# KiCad board nvme Carrier for LattePanda Mu.kicad_pcb (continued)
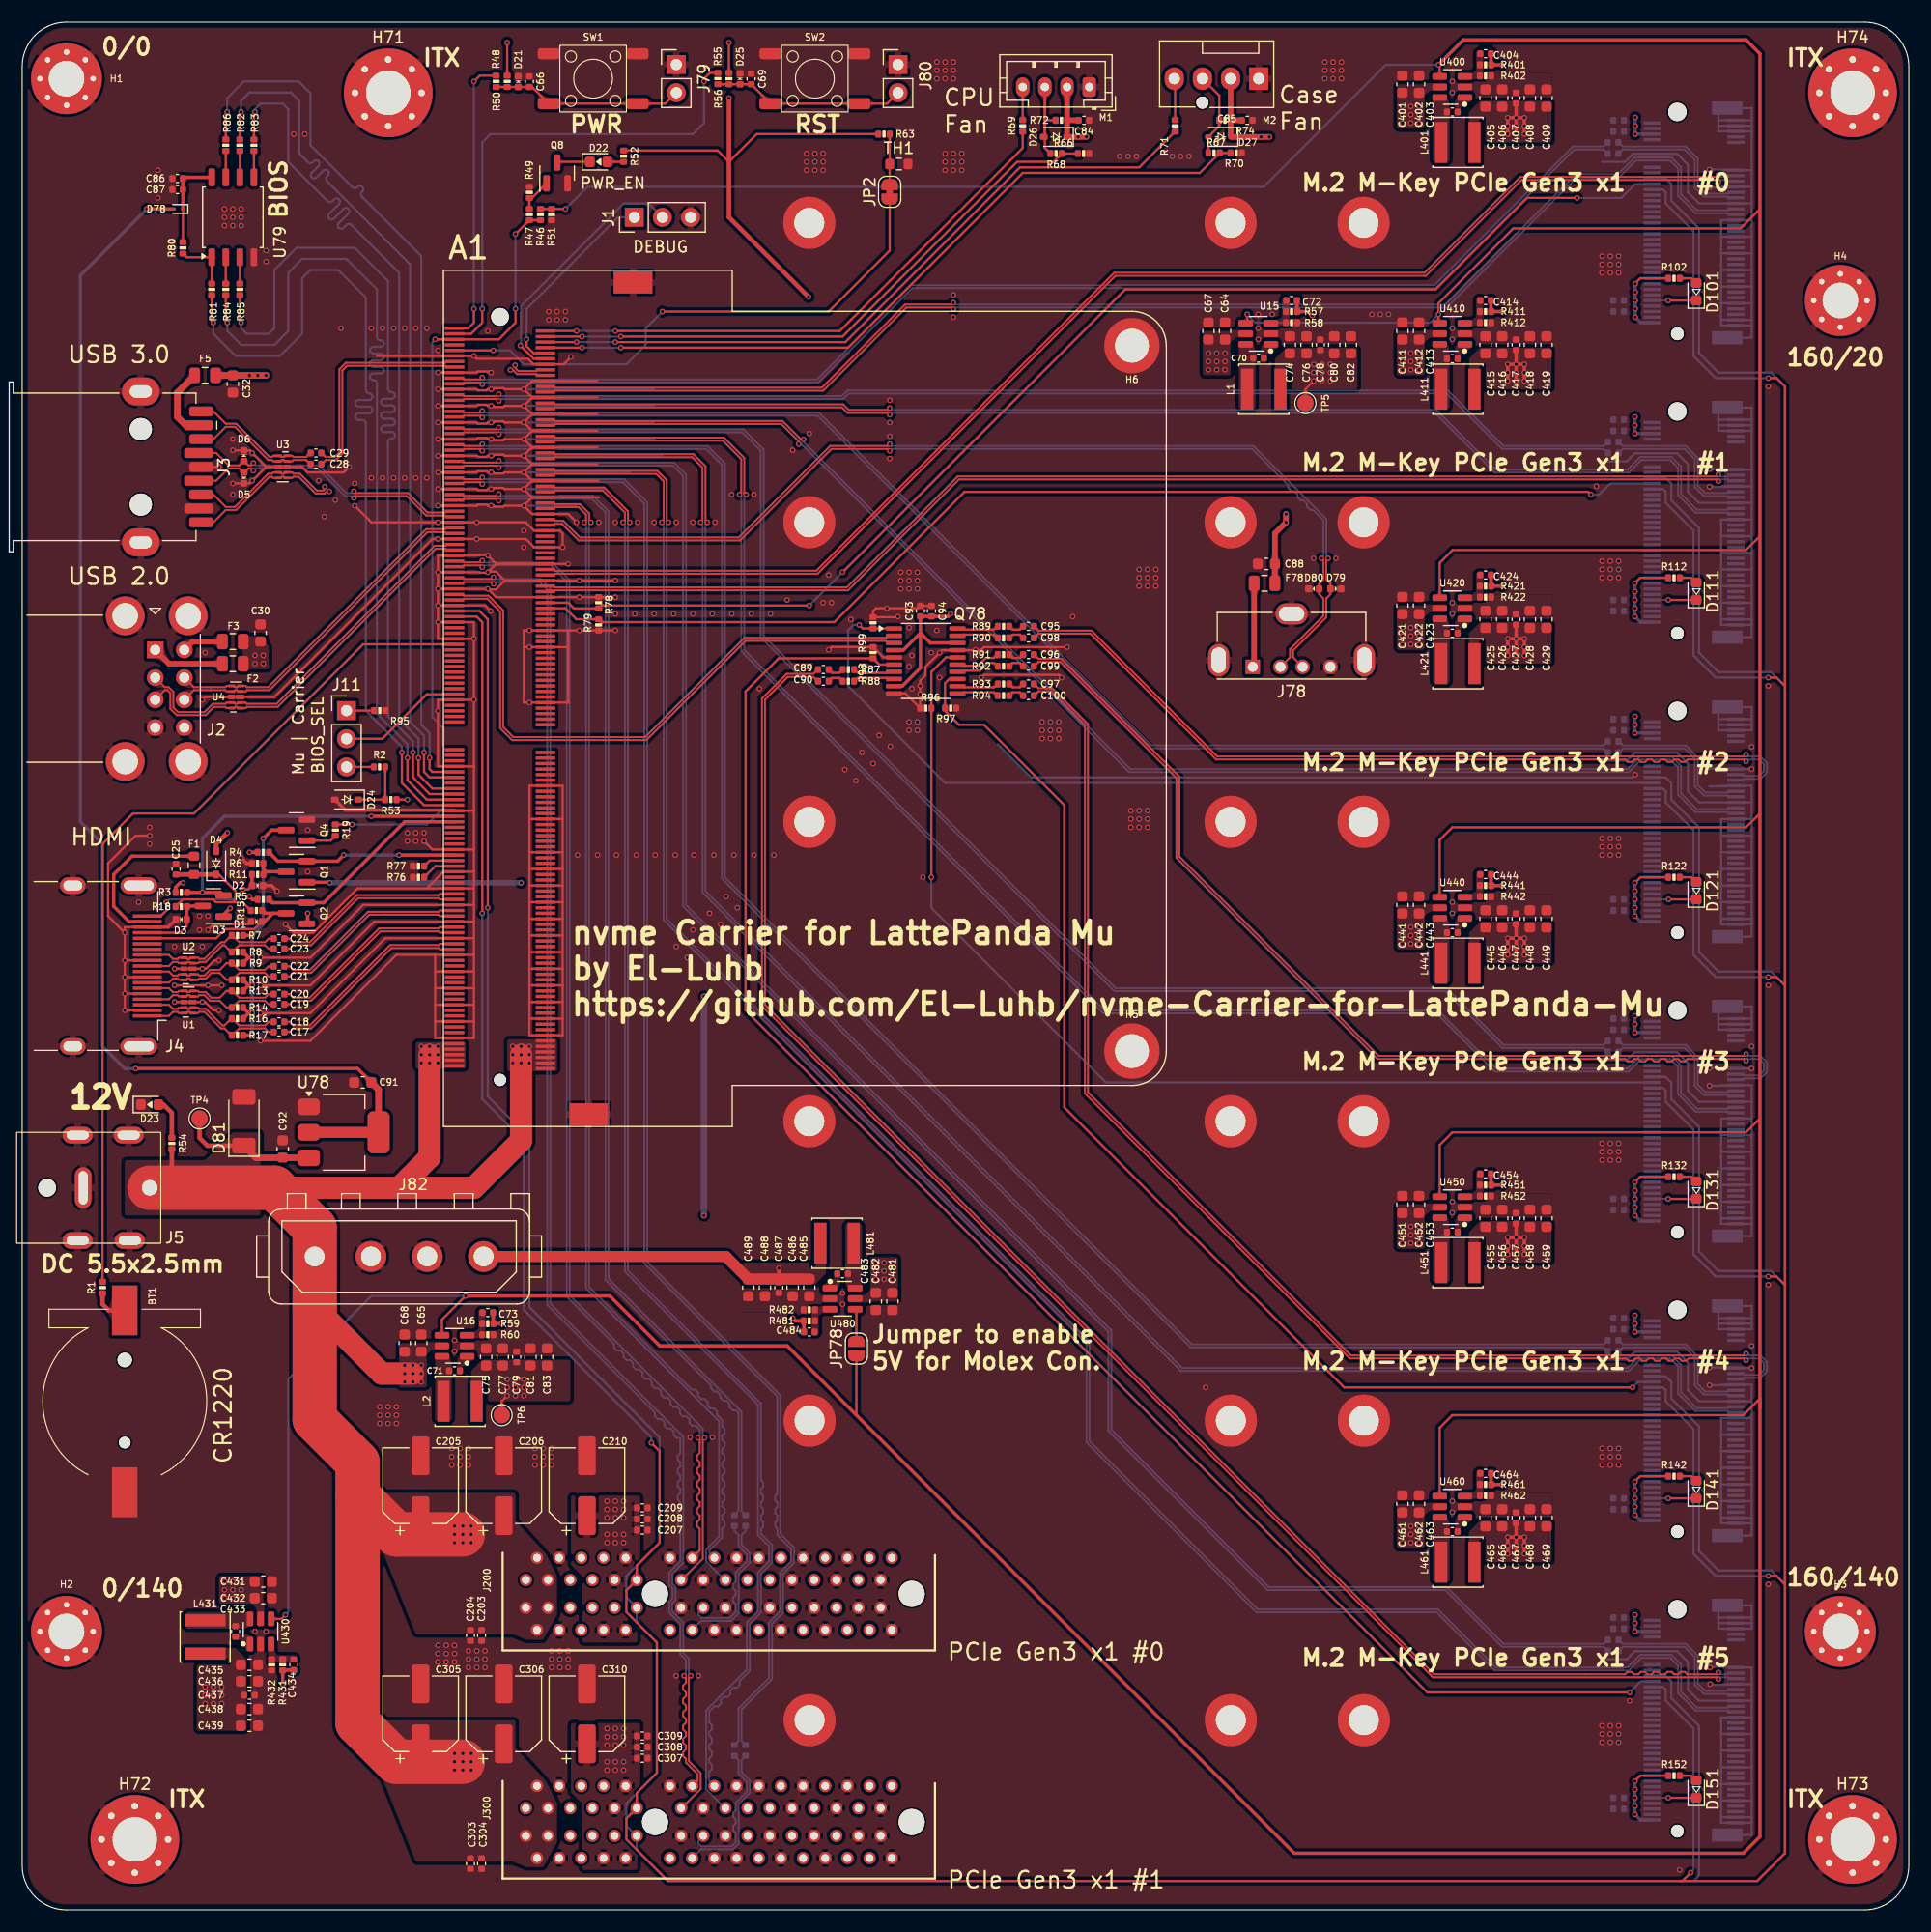
[diagram p0: board, top side]
## Footprints (pads in the part's own frame, mm; a bottom-side part is the same pattern mirrored in y, then rotated) (continued)
USB_A_Molex_105057_Vertical
  rect 1.3x1.3 hole 0.9: 1(0,0)
  round 1.3 hole 0.9: 2(2.5,0) 3(4.5,0) 4(7,0)
  oval 1.9x2.9 hole 1.3x2.3: 5(-3.07,0.6) 5(10.07,0.6)
  oval 2.9x1.9 hole 2.3x1.3: 5(3.5,4.78)

## Nets
5V_HDMI_VCC: C25.1 D4.1 F1.1 R15.1 R18.1
+3V3: C73.1 C75.2 C77.2 C79.1 C81.2 C83.2 C93.1 C94.1 C207.2 C208.2 C209.1 C210.1 J200.A9 J200.A10 J200.B8 J200.B10 L2.2 Q1.1 Q2.1 Q3.1 Q78.4 Q78.9 Q78.18 R3.1 R4.1 R5.1 R50.2 R52.2 R56.2 R59.2 R63.1 TP6.1
+3V3 Bios: C91.2 D78.2 U78.2
+3V3a: C101.2 C102.2 C103.2 C104.2 C404.1 C405.2 C406.2 C407.1 C408.2 C409.2 J100.2 J100.4 J100.12 J100.14 J100.16 J100.18 J100.70 J100.72 J100.74 L401.2 R102.2 R401.2
+3V3b: C111.2 C112.2 C113.2 C114.2 C414.1 C415.2 C416.2 C417.1 C418.2 C419.2 J110.2 J110.4 J110.12 J110.14 J110.16 J110.18 J110.70 J110.72 J110.74 L411.2 R112.2 R411.2
+3V3c: C121.2 C122.2 C123.2 C124.2 C424.1 C425.2 C426.2 C427.1 C428.2 C429.2 J120.2 J120.4 J120.12 J120.14 J120.16 J120.18 J120.70 J120.72 J120.74 L421.2 R122.2 R421.2
+3V3d: C131.2 C132.2 C133.2 C134.2 C444.1 C445.2 C446.2 C447.1 C448.2 C449.2 J130.2 J130.4 J130.12 J130.14 J130.16 J130.18 J130.70 J130.72 J130.74 L441.2 R132.2 R441.2
+3V3e: C141.2 C142.2 C143.2 C144.2 C454.1 C455.2 C456.2 C457.1 C458.2 C459.2 J140.2 J140.4 J140.12 J140.14 J140.16 J140.18 J140.70 J140.72 J140.74 L451.2 R142.2 R451.2
+3V3f: C151.2 C152.2 C153.2 C154.2 C464.1 C465.2 C466.2 C467.1 C468.2 C469.2 J150.2 J150.4 J150.12 J150.14 J150.16 J150.18 J150.70 J150.72 J150.74 L461.2 R152.2 R461.2
+3V3g: C307.2 C308.2 C309.1 C310.1 C434.1 C435.2 C436.2 C437.1 C438.2 C439.2 J300.A9 J300.A10 J300.B8 J300.B10 L431.2 R431.2
+5V: C30.2 C32.2 C72.1 C74.2 C76.2 C78.1 C80.2 C82.2 C84.1 C88.2 D4.2 D26.1 F2.1 F3.1 F5.1 F78.1 L1.2 M1.2 R57.2 R72.1 TP5.1
+5Va: C484.1 C485.2 C486.2 C487.1 C488.2 C489.2 J82.4 L481.2 R481.2
+12V: A1.250 A1.251 A1.252 A1.253 A1.254 A1.255 A1.256 A1.257 A1.258 A1.259 A1.260 C64.2 C65.2 C67.2 C68.2 C85.1 C92.2 C203.1 C204.1 C205.1 C206.1 C303.1 C304.1 C305.1 C306.1 C401.2 C402.2 C411.2 C412.2 C421.2 C422.2 C431.2 C432.2 C441.2 C442.2 C451.2 C452.2 C461.2 C462.2 C481.2 C482.2 D27.1 D81.1 J5.1 J82.1 J200.A2 J200.A3 J200.B1 J200.B2 J200.B3 J300.A2 J300.A3 J300.B1 J300.B2 J300.B3 M2.2 R53.1 R54.1 R74.1 TP4.1 U15.5 U16.5 U78.3 U400.5 U410.5 U420.5 U430.5 U440.5 U450.5 U460.5 U480.5
GND: A1.11 A1.14 A1.17 A1.20 A1.23 A1.26 A1.29 A1.32 A1.35 A1.38 A1.41 A1.44 A1.47 A1.50 A1.53 A1.56 A1.59 A1.62 A1.65 A1.68 A1.71 A1.74 A1.77 A1.80 A1.83 A1.86 A1.89 A1.92 A1.95 A1.98 A1.101 A1.107 A1.110 A1.113 A1.116 A1.135 A1.136 A1.151 A1.158 A1.167 A1.170 A1.181 A1.182 A1.188 A1.189 A1.194 A1.195 A1.200 A1.201 A1.206 A1.207 A1.212 A1.213 A1.218 A1.219 A1.224 A1.225 A1.230 A1.231 A1.236 A1.237 A1.242 A1.243 A1.248 A1.249 A1.MP BT1.2 C25.2 C30.1 C32.1 C64.1 C65.1 C66.2 C67.1 C68.1 C69.2 C74.1 C75.1 C76.1 C77.1 C78.2 C79.2 C80.1 C81.1 C82.1 C83.1 C84.2 C85.2 C86.2 C87.2 C88.1 C91.1 C92.1 C93.2 C94.2 C101.1 C102.1 C103.1 C104.1 C111.1 C112.1 C113.1 C114.1 C121.1 C122.1 C123.1 C124.1 C131.1 C132.1 C133.1 C134.1 C141.1 C142.1 C143.1 C144.1 C151.1 C152.1 C153.1 C154.1 C203.2 C204.2 C205.2 C206.2 C207.1 C208.1 C209.2 C210.2 C303.2 C304.2 C305.2 C306.2 C307.1 C308.1 C309.2 C310.2 C401.1 C402.1 C405.1 C406.1 C407.2 C408.1 C409.1 C411.1 C412.1 C415.1 C416.1 C417.2 C418.1 C419.1 C421.1 C422.1 C425.1 C426.1 C427.2 C428.1 C429.1 C431.1 C432.1 C435.1 C436.1 C437.2 C438.1 C439.1 C441.1 C442.1 C445.1 C446.1 C447.2 C448.1 C449.1 C451.1 C452.1 C455.1 C456.1 C457.2 C458.1 C459.1 C461.1 C462.1 C465.1 C466.1 C467.2 C468.1 C469.1 C481.1 C482.1 C485.1 C486.1 C487.2 C488.1 C489.1 D1.1 D2.1 D3.1 D5.1 D6.1 D21.1 D23.1 D24.2 D25.1 D79.1 D80.1 D81.2 H1.1 H2.1 H3.1 H4.1 H5.1 H6.1 H71.1 H72.1 H73.1 H74.1 H1032.1 H1042.1 H1080.1 H1130.1 H1142.1 H1180.1 H1230.1 H1242.1 H1280.1 H1330.1 H1342.1 H1380.1 H1430.1 H1442.1 H1480.1 H1530.1 H1542.1 H1580.1 J1.3 J2.4 J2.8 J2.9 J3.4 J3.7 J3.10 J4.2 J4.5 J4.8 J4.11 J4.17 J4.SH J5.2 J5.3 J78.4 J78.5 J79.1 J80.1 J82.2 J82.3 J100.1 J100.3 J100.9 J100.15 J100.21 J100.27 J100.33 J100.39 J100.45 J100.51 J100.57 J100.71 J100.73 J100.75 J100.MP1 J100.MP2 J110.1 J110.3 J110.9 J110.15 J110.21 J110.27 J110.33 J110.39 J110.45 J110.51 J110.57 J110.71 J110.73 J110.75 J110.MP1 J110.MP2 J120.1 J120.3 J120.9 J120.15 J120.21 J120.27 J120.33 J120.39 J120.45 J120.51 J120.57 J120.71 J120.73 J120.75 J120.MP1 J120.MP2 J130.1 J130.3 J130.9 J130.15 J130.21 J130.27 J130.33 J130.39 J130.45 J130.51 J130.57 J130.71 J130.73 J130.75 J130.MP1 J130.MP2 J140.1 J140.3 J140.9 J140.15 J140.21 J140.27 J140.33 J140.39 J140.45 J140.51 J140.57 J140.71 J140.73 J140.75 J140.MP1 J140.MP2 J150.1 J150.3 J150.9 J150.15 J150.21 J150.27 J150.33 J150.39 J150.45 J150.51 J150.57 J150.71 J150.73 J150.75 J150.MP1 J150.MP2 J200.A1 J200.A4 J200.A12 J200.A15 J200.A18 J200.A20 J200.A23 J200.A24 J200.A27 J200.A28 J200.A31 J200.B4 J200.B7 J200.B13 J200.B16 J200.B17 J200.B18 J200.B21 J200.B22 J200.B25 J200.B26 J200.B29 J200.B31 J200.B32 J300.A1 J300.A4 J300.A12 J300.A15 J300.A18 J300.A20 J300.A23 J300.A24 J300.A27 J300.A28 J300.A31 J300.B4 J300.B7 J300.B13 J300.B16 J300.B17 J300.B18 J300.B21 J300.B22 J300.B25 J300.B26 J300.B29 J300.B31 J300.B32 M1.1 M2.1 Q4.2 Q8.2 Q78.5 Q78.10 Q78.17 R6.2 R49.1 R51.1 R58.1 R60.1 R66.2 R67.2 R76.2 R77.2 R78.2 R79.2 R95.1 R96.2 R97.2 R98.2 R99.2 R402.1 R412.1 R422.1 R432.1 R442.1 R452.1 R462.1 R482.1 SW1.2 SW2.2 TH1.2 U1.3 U1.8 U2.3 U2.8 U3.3 U3.8 U4.3 U4.8 U15.2 U16.2 U78.1 U79.4 U400.2 U410.2 U420.2 U430.2 U440.2 U450.2 U460.2 U480.2
+BATT: A1.115 R1.1
/BIOS/SPI-CS: A1.165 R81.1
/BIOS/SPI-IO0: A1.159 R83.1
/BIOS/SPI-IO1: A1.163 R84.1
/BIOS/SPI-IO2: A1.161 R85.1
/BIOS/SPI-IO3: A1.153 R86.1
/BIOS/SPI_CLK: A1.155 R82.1
/Fan_Temp/FAN_1_PWM: A1.2 R69.1
/Fan_Temp/FAN_1_TAC: A1.4 R66.1 R68.2
/Fan_Temp/FAN_2_PWM: A1.6 R71.1
/Fan_Temp/FAN_2_TAC: A1.8 R67.1 R70.1
/Fan_Temp/TEMP: A1.9 JP2.1
/HDMI/DDC_SCL: D1.2 J4.15 Q2.3 R15.2
/HDMI/DDC_SDA: D3.2 J4.16 Q3.3 R18.2
/HDMI/DDI_B_DDC_SCL: A1.171 Q2.2 R5.2
/HDMI/DDI_B_DDC_SDA: A1.169 Q3.2 R3.2
/HDMI/DDI_B_HPD: A1.183 Q1.2 R4.2
/HDMI/DDI_B_TX0+: A1.217 C17.1
/HDMI/DDI_B_TX0-: A1.215 C18.1
/HDMI/DDI_B_TX1+: A1.211 C19.1
/HDMI/DDI_B_TX1-: A1.209 C20.1
/HDMI/DDI_B_TX2+: A1.205 C21.1
/HDMI/DDI_B_TX2-: A1.203 C22.1
/HDMI/DDI_B_TX3+: A1.199 C23.1
/HDMI/DDI_B_TX3-: A1.197 C24.1
/HDMI/HPD: D2.2 J4.19 R11.2
/HDMI/TMDS_CK+: C23.2 J4.10 R8.1 U2.4 U2.7
/HDMI/TMDS_CK-: C24.2 J4.12 R7.1 U2.5 U2.6
/HDMI/TMDS_D0+: C21.2 J4.7 R10.1 U2.1 U2.10
/HDMI/TMDS_D0-: C22.2 J4.9 R9.1 U2.2 U2.9
/HDMI/TMDS_D1+: C19.2 J4.4 R14.1 U1.4 U1.7
/HDMI/TMDS_D1-: C20.2 J4.6 R13.1 U1.5 U1.6
/HDMI/TMDS_D2+: C17.2 J4.1 R17.1 U1.1 U1.10
/HDMI/TMDS_D2-: C18.2 J4.3 R16.1 U1.2 U1.9
/LattePanda Module/CLKREQ3: A1.100 J100.52 R79.1
/LattePanda Module/CLKREQ4: A1.102 J110.52 R78.1
/LattePanda Module/HSIO_0_TX+: A1.13 C29.1
/LattePanda Module/HSIO_0_TX-: A1.15 C28.1
/LattePanda Module/HSIO_1_RX+: A1.22 J100.43
/LattePanda Module/HSIO_1_RX-: A1.24 J100.41
/LattePanda Module/HSIO_1_TX+: A1.19 C105.1
/LattePanda Module/HSIO_1_TX-: A1.21 C106.1
/LattePanda Module/HSIO_2_RX+: A1.28 J110.43
/LattePanda Module/HSIO_2_RX-: A1.30 J110.41
/LattePanda Module/HSIO_2_TX+: A1.25 C115.1
/LattePanda Module/HSIO_2_TX-: A1.27 C116.1
/LattePanda Module/HSIO_3_RX+: A1.34 J120.43
/LattePanda Module/HSIO_3_RX-: A1.36 J120.41
/LattePanda Module/HSIO_3_TX+: A1.31 C125.1
/LattePanda Module/HSIO_3_TX-: A1.33 C126.1
/LattePanda Module/HSIO_6_RX+: A1.64 J200.A16
/LattePanda Module/HSIO_6_RX-: A1.66 J200.A17
/LattePanda Module/HSIO_6_TX+: A1.61 C201.1
/LattePanda Module/HSIO_6_TX-: A1.63 C202.1
/LattePanda Module/HSIO_8_RX+: A1.40 J130.43
/LattePanda Module/HSIO_8_RX-: A1.42 J130.41
/LattePanda Module/HSIO_8_TX+: A1.37 C135.1
/LattePanda Module/HSIO_8_TX-: A1.39 C136.1
/LattePanda Module/HSIO_9_RX+: A1.46 J140.43
/LattePanda Module/HSIO_9_RX-: A1.48 J140.41
/LattePanda Module/HSIO_9_TX+: A1.43 C145.1
/LattePanda Module/HSIO_9_TX-: A1.45 C146.1
/LattePanda Module/HSIO_10_RX+: A1.52 J150.43
/LattePanda Module/HSIO_10_RX-: A1.54 J150.41
/LattePanda Module/HSIO_10_TX+: A1.49 C155.1
/LattePanda Module/HSIO_10_TX-: A1.51 C156.1
/LattePanda Module/HSIO_11_RX+: A1.58 J300.A16
/LattePanda Module/HSIO_11_RX-: A1.60 J300.A17
/LattePanda Module/HSIO_11_TX+: A1.55 C301.1
/LattePanda Module/HSIO_11_TX-: A1.57 C302.1
/LattePanda Module/REFCLK0+: A1.85 J200.A13
/LattePanda Module/REFCLK0-: A1.87 J200.A14
/LattePanda Module/REFCLK1+: A1.91 J300.A13
/LattePanda Module/REFCLK1-: A1.93 J300.A14
/LattePanda Module/REFCLK2+: A1.97 Q78.2
/LattePanda Module/REFCLK2-: A1.99 Q78.3
/LattePanda Module/REFCLK3+: A1.88 J100.55
/LattePanda Module/REFCLK3-: A1.90 J100.53
/LattePanda Module/REFCLK4+: A1.94 J110.55
/LattePanda Module/REFCLK4-: A1.96 J110.53
/LattePanda Module/SLS_S3: A1.7
/LattePanda Module/USB_2_P4+: A1.70 D79.2 J78.3
/LattePanda Module/USB_2_P4-: A1.72 D80.2 J78.2
/LattePanda Module/~{PWR_SW}: A1.1 R48.2
/LattePanda Module/~{RST_SW}: A1.3 R55.2
/M.2 M Key/CLKREQM2: J120.52 Q78.1 R99.1
/M.2 M Key/CLKREQM3: J130.52 Q78.16 R97.1
/M.2 M Key/CLKREQM4: J140.52 Q78.13 R96.1
/M.2 M Key/CLKREQM5: J150.52 Q78.6 R98.1
/M.2 M Key/CON_PCIE_TX_0+: C105.2 J100.49
/M.2 M Key/CON_PCIE_TX_0-: C106.2 J100.47
/M.2 M Key/CON_PCIE_TX_1+: C115.2 J110.49
/M.2 M Key/CON_PCIE_TX_1-: C116.2 J110.47
/M.2 M Key/CON_PCIE_TX_2+: C125.2 J120.49
/M.2 M Key/CON_PCIE_TX_2-: C126.2 J120.47
/M.2 M Key/CON_PCIE_TX_3+: C135.2 J130.49
/M.2 M Key/CON_PCIE_TX_3-: C136.2 J130.47
/M.2 M Key/CON_PCIE_TX_4+: C145.2 J140.49
/M.2 M Key/CON_PCIE_TX_4-: C146.2 J140.47
/M.2 M Key/CON_PCIE_TX_5+: C155.2 J150.49
/M.2 M Key/CON_PCIE_TX_5-: C156.2 J150.47
/M.2 M Key/REFCLKM2+: C98.2 J120.55
/M.2 M Key/REFCLKM2-: C95.2 J120.53
/M.2 M Key/REFCLKM3+: C99.2 J130.55
/M.2 M Key/REFCLKM3-: C96.2 J130.53
/M.2 M Key/REFCLKM4+: C100.2 J140.55
/M.2 M Key/REFCLKM4-: C97.2 J140.53
/M.2 M Key/REFCLKM5+: C90.1 J150.55
/M.2 M Key/REFCLKM5-: C89.1 J150.53
/PCIe CLK Buffer/DIF0+: Q78.19 R90.2
/PCIe CLK Buffer/DIF0-: Q78.20 R89.1
/PCIe CLK Buffer/DIF1+: Q78.14 R92.2
/PCIe CLK Buffer/DIF1-: Q78.15 R91.1
/PCIe CLK Buffer/DIF2+: Q78.11 R94.2
/PCIe CLK Buffer/DIF2-: Q78.12 R93.1
/PCIe CLK Buffer/DIF3+: Q78.8 R88.1
/PCIe CLK Buffer/DIF3-: Q78.7 R87.2
/PCIe CLK Buffer/RDIF0+: C98.1 R90.1
/PCIe CLK Buffer/RDIF0-: C95.1 R89.2
/PCIe CLK Buffer/RDIF1+: C99.1 R92.1
/PCIe CLK Buffer/RDIF1-: C96.1 R91.2
/PCIe CLK Buffer/RDIF2+: C100.1 R94.1
/PCIe CLK Buffer/RDIF2-: C97.1 R93.2
/PCIe CLK Buffer/RDIF3+: C90.2 R88.2
/PCIe CLK Buffer/RDIF3-: C89.2 R87.1
/PCIe/PCIE30_TX0_N: C202.2 J200.B15
/PCIe/PCIE30_TX0_P: C201.2 J200.B14
/PCIe/PCIE30_TX1_N: C302.2 J300.B15
/PCIe/PCIE30_TX1_P: C301.2 J300.B14
/PSU/PWR_EN: JP78.1 R46.2 R51.2 U15.4 U16.4 U400.4 U410.4 U420.4 U430.4 U440.4 U450.4 U460.4
/USB/CON_USB1_D_N: A1.79 J2.2 U4.2 U4.9
/USB/CON_USB1_D_P: A1.81 J2.3 U4.1 U4.10
/USB/CON_USB2_D_N: A1.73 J2.6 U4.5 U4.6
/USB/CON_USB2_D_P: A1.75 J2.7 U4.4 U4.7
/USB/CON_USB3_D_N: A1.67 D6.2 J3.2
/USB/CON_USB3_D_P: A1.69 D5.2 J3.3
/USB/CON_USB3_SSRX_N: A1.18 J3.5 U3.5 U3.6
/USB/CON_USB3_SSRX_P: A1.16 J3.6 U3.4 U3.7
/USB/CON_USB3_SSTX_N: C28.2 J3.8 U3.2 U3.9
/USB/CON_USB3_SSTX_P: C29.2 J3.9 U3.1 U3.10
/~{PLT_RST}: A1.105 J100.50 J110.50 J120.50 J130.50 J140.50 J150.50 J200.A11 J300.A11
/~{PWR_LED}/~{PSON}: A1.5 R19.1 R46.1 R47.1
/~{WAKE}: A1.103 J100.54 J110.54 J120.54 J130.54 J140.54 J150.54 J200.B11 J300.B11
VPullup: D24.1 R2.2 R53.2
Net-(A1-SIO_UART_RX): A1.12 J1.2
Net-(A1-SIO_UART_TX): A1.10 J1.1
Net-(A1-TCP0_HPD): A1.187 R76.1
Net-(A1-TCP1_HPD): A1.185 R77.1
Net-(A1-~{BIOS_SEL}): A1.133 J11.2
Net-(BT1-+): BT1.1 R1.2
Net-(D21-A2): C66.1 D21.2 J79.2 R48.1 R50.1 SW1.1
Net-(D22-A): D22.2 R52.1
Net-(D22-K): D22.1 Q8.3
Net-(D23-A): D23.2 R54.2
Net-(D25-A2): C69.1 D25.2 J80.2 R55.1 R56.1 SW2.1
Net-(D26-A): D26.2 M1.3 R68.1 R72.2
Net-(D27-A): D27.2 M2.3 R70.2 R74.2
Net-(D78-K): C86.1 C87.1 D78.1 R80.1 U79.8
Net-(D101-A): D101.2 R102.1
Net-(D101-K): D101.1 J100.10
Net-(D111-A): D111.2 R112.1
Net-(D111-K): D111.1 J110.10
Net-(D121-A): D121.2 R122.1
Net-(D121-K): D121.1 J120.10
Net-(D131-A): D131.2 R132.1
Net-(D131-K): D131.1 J130.10
Net-(D141-A): D141.2 R142.1
Net-(D141-K): D141.1 J140.10
Net-(D151-A): D151.2 R152.1
Net-(D151-K): D151.1 J150.10
Net-(J2-VBUS1): F2.2 J2.1
Net-(J2-VBUS2): F3.2 J2.5
Net-(J3-VBUS): F5.2 J3.1
Net-(J4-+5V): F1.2 J4.18
Net-(J11-Pin_1): J11.1 R95.2
Net-(J11-Pin_3): J11.3 R2.1
Net-(J78-VBUS): F78.2 J78.1
Net-(JP2-B): JP2.2 R63.2 TH1.1
Net-(JP78-B): JP78.2 U480.4
Net-(M1-PWM): M1.4 R69.2
Net-(M2-PWM): M2.4 R71.2
Net-(Q1-D): Q1.3 R6.1 R11.1
Net-(Q4-D): Q4.3 R7.2 R8.2 R9.2 R10.2 R13.2 R14.2 R16.2 R17.2
Net-(Q4-G): Q4.1 R19.2
Net-(Q8-G): Q8.1 R47.2 R49.2
Net-(U15-BOOST): C70.2 U15.1
Net-(U15-FB): C72.2 R57.1 R58.2 U15.3
Net-(U15-SW): C70.1 L1.1 U15.6
Net-(U16-BOOST): C71.2 U16.1
Net-(U16-FB): C73.2 R59.1 R60.2 U16.3
Net-(U16-SW): C71.1 L2.1 U16.6
Net-(U79-CLK): R82.2 U79.6
Net-(U79-DI(IO0)): R83.2 U79.5
Net-(U79-DO(IO1)): R84.2 U79.2
Net-(U79-IO2): R85.2 U79.3
Net-(U79-IO3): R86.2 U79.7
Net-(U79-~{CS}): R80.2 R81.2 U79.1
Net-(U400-BOOST): C403.2 U400.1
Net-(U400-FB): C404.2 R401.1 R402.2 U400.3
Net-(U400-SW): C403.1 L401.1 U400.6
Net-(U410-BOOST): C413.2 U410.1
Net-(U410-FB): C414.2 R411.1 R412.2 U410.3
Net-(U410-SW): C413.1 L411.1 U410.6
Net-(U420-BOOST): C423.2 U420.1
Net-(U420-FB): C424.2 R421.1 R422.2 U420.3
Net-(U420-SW): C423.1 L421.1 U420.6
Net-(U430-BOOST): C433.2 U430.1
Net-(U430-FB): C434.2 R431.1 R432.2 U430.3
Net-(U430-SW): C433.1 L431.1 U430.6
Net-(U440-BOOST): C443.2 U440.1
Net-(U440-FB): C444.2 R441.1 R442.2 U440.3
Net-(U440-SW): C443.1 L441.1 U440.6
Net-(U450-BOOST): C453.2 U450.1
Net-(U450-FB): C454.2 R451.1 R452.2 U450.3
Net-(U450-SW): C453.1 L451.1 U450.6
Net-(U460-BOOST): C463.2 U460.1
Net-(U460-FB): C464.2 R461.1 R462.2 U460.3
Net-(U460-SW): C463.1 L461.1 U460.6
Net-(U480-BOOST): C483.2 U480.1
Net-(U480-FB): C484.2 R481.1 R482.2 U480.3
Net-(U480-SW): C483.1 L481.1 U480.6

Pads without a net: A1 76 78 82 84 104 106 108 109 111 112 114 117 118 119 120 121 122 123 124 125 126 127 128 129 130 131 132 134 137 138 139 140 141 142 143 144 145 146 147 148 149 150 152 154 156 157 160 162 164 166 168 172 173 174 175 176 177 178 179 180 184 186 190 191 192 193 196 198 202 204 208 210 214 216 220 221 222 223 226 227 228 229 232 233 234 235 238 239 240 241 244 245 246 247; J4 13 14; J100 5 6 7 8 11 13 17 19 20 22 23 24 25 26 28 29 30 31 32 34 35 36 37 38 40 42 44 46 48 56 58 67 68 69; J110 5 6 7 8 11 13 17 19 20 22 23 24 25 26 28 29 30 31 32 34 35 36 37 38 40 42 44 46 48 56 58 67 68 69; J120 5 6 7 8 11 13 17 19 20 22 23 24 25 26 28 29 30 31 32 34 35 36 37 38 40 42 44 46 48 56 58 67 68 69; J130 5 6 7 8 11 13 17 19 20 22 23 24 25 26 28 29 30 31 32 34 35 36 37 38 40 42 44 46 48 56 58 67 68 69; J140 5 6 7 8 11 13 17 19 20 22 23 24 25 26 28 29 30 31 32 34 35 36 37 38 40 42 44 46 48 56 58 67 68 69; J150 5 6 7 8 11 13 17 19 20 22 23 24 25 26 28 29 30 31 32 34 35 36 37 38 40 42 44 46 48 56 58 67 68 69; J200 A5 A6 A7 A8 A19 A21 A22 A25 A26 A29 A30 A32 B5 B6 B9 B12 B19 B20 B23 B24 B27 B28 B30; J300 A5 A6 A7 A8 A19 A21 A22 A25 A26 A29 A30 A32 B5 B6 B9 B12 B19 B20 B23 B24 B27 B28 B30

## Via types
v1: diameter 0.5, hole 0.3, Top to Bottom, 938 vias

## Routing (per net, layer and track width the routed paths; a pad name or vN(x,y) marks a point on that pad's centre or on a via; arc(x,y) is an arc through that point)
5V_HDMI_VCC: length 14.8
  Top w0.2: D4.1 17.75,93.35 19.25,91.85 19.25,91.1 19,90.85 18.75,90.85 ; 18.75,90.85 17.47,90.85 17.22,91.1 14.49,91.1 R18.1 ; 18.75,90.85 19.87,90.85 R15.1
  Top w0.4: D4.1 C25.1
+3V3: length 313.9
  Top w0.2: R52.2 62.73,158.62 63.75,157.6 66.25,160.1 R63.1 ; TP6.1 43.25,45.85 v1(43.75,46.35) ; R50.2 v1(43.75,168.35) ; R56.2 v1(63.75,168.35)
  Top w0.3: Q78.9 79.37,110.33 81.02,111.97 81.02,115.12 ; 81.02,115.12 81.92,114.23 Q78.18 ; 81.02,115.12 C93.1 83.52,116.62 v1(83.75,116.85) ; 81.02,115.12 79.47,113.58 Q78.4 ; R3.1 13.84,92.19 14.25,92.6 v1(14.5,92.6) ; v1(25.75,89.85) 25.75,88.96 Q2.1 ; Q1.1 27.7,92.65 v1(27.75,92.6) ; v1(18.75,90.3) 18.17,89.72 Q3.1 ; R5.1 20.75,91.1 v1(20.5,91.35) ; C73.1 42.48,52.88 R59.2 v1(43.25,52.85) ; R4.1 v1(20.5,95.35)
  Top w0.4: v1(63.75,163.35) 63.75,152.6 v1(70.93,145.43)
  In2.PWR w0.3: 21.25,92.6 v1(27.75,92.6) 25.75,90.6 v1(25.75,89.85) ; 21.25,92.6 20.5,93.35 v1(20.5,95.35) ; 21.25,92.6 v1(14.5,92.6) ; 21.25,92.6 20.5,91.85 v1(20.5,91.35) 19.45,90.3 v1(18.75,90.3) ; v1(43.75,168.35) v1(63.75,168.35) v1(63.75,163.35) ; v1(43.25,52.85) 44.5,51.6 v1(44.5,47.1)
  In2.PWR w0.4: v1(83.75,116.85) 83.75,132.6 v1(70.93,145.43)
  In2.PWR w0.5: v1(44.5,47.1) 51.25,47.1 ; v1(83.75,116.85) 83.75,104.6 v1(61.5,82.35) 51.25,92.6 v1(45,92.6)
  In2.PWR w0.6: 51.25,47.1 61.5,57.35 v1(61.5,62.6)
  In2.PWR w3: v1(53.5,36.1) 53.5,44.1 50.5,47.1 v1(44.5,47.1)
  Bottom w0.5: v1(45,92.6) v1(27.75,92.6)
  Bottom w0.6: v1(61.5,62.6) v1(61.5,82.35)
  vias: v1(43.75,47.85) v1(43.75,47.1) v1(44.5,47.85) v1(44.5,46.35) v1(45.25,47.85) v1(45.25,47.1) v1(45.25,46.35) v1(52.75,36.85) v1(52.75,36.1) v1(52.75,35.35) v1(52.75,33.85) v1(52.75,33.1) v1(53.5,36.85) v1(53.5,35.35) v1(53.5,33.85) v1(53.5,33.1) v1(54.25,36.85) v1(54.25,36.1) v1(54.25,35.35) v1(54.25,33.85) v1(54.25,33.1)
+3V3 Bios: length 117.9
  Top w0.3: v1(11.25,153.35) D78.2 ; C91.2 30.25,75.85 v1(10.25,75.85)
  Top w0.6: U78.2 32.15,73.95 C91.2
  Top w1: U78.2 U78.2
  Bottom w0.3: v1(10.25,75.85) 9.25,75.85 7.25,77.85 7.25,96.1 5.25,98.1 5.25,147.35 v1(11.25,153.35)
+3V3a: length 37.7
  Top w0.2: 148.47,147.1 145.95,147.1 145.45,146.6
  Top w0.3: v1(135.5,160.1) v1(135.5,160.85) v1(135.5,161.58) v1(134.75,161.58) ; 134.75,162.85 v1(134.75,161.58) ; v1(134.75,161.58) v1(134,161.58) v1(134,160.85) v1(134,160.1) ; v1(134.75,161.58) v1(134.75,160.1) ; C404.1 132.48,166.38 ; v1(133.5,166.35) R401.2
  In2.PWR w0.3: v1(133.5,166.35) 134.75,165.1 v1(134.75,160.85)
  In2.PWR w2: v1(134,160.85) v1(145.5,160.85)
  Bottom w0.3: v1(145.5,161.6) v1(145.5,160.1) 147.02,160.1 ; v1(145.5,146.6) v1(145.5,143.6) 146,143.1 147.02,143.1
  vias: v1(145.5,145.85) v1(145.5,145.1) v1(145.5,144.35)
+3V3b: length 41.9
  Top w0.2: 148.47,120.1 145.95,120.1 145.45,119.6
  Top w0.3: v1(134.75,139.35) v1(134.75,137.85) ; v1(134.75,139.35) v1(135.5,139.35) v1(135.5,138.6) v1(135.5,137.85) ; v1(134.75,139.35) v1(134,139.35) v1(134,138.6) v1(134,137.85) ; v1(134.75,139.35) C417.1 ; v1(133.5,144.1) R411.2 ; C414.1 132.48,144.13
  In2.PWR w0.3: v1(133.5,144.1) 134.75,142.85 134.75,138.58
  In2.PWR w2: v1(145.47,133.1) 145.47,136.38 143.25,138.6 v1(134,138.6)
  Bottom w0.3: v1(145.47,119.6) v1(145.47,116.6) 145.97,116.1 147,116.1 ; 147,133.1 v1(145.47,133.1) v1(145.47,134.6)
  vias: v1(134.75,138.6) v1(145.47,133.85) v1(145.47,118.85) v1(145.47,118.1) v1(145.47,117.35)
+3V3c: length 44.1
  Top w0.2: R122.2 145.97,93.1 v1(145.47,92.6)
  Top w0.3: v1(134,113.1) v1(134,113.85) v1(134,114.6) v1(134.75,114.6) ; v1(134.75,114.6) v1(135.5,114.6) v1(135.5,113.85) v1(135.5,113.1) ; v1(134.75,114.6) 134.75,115.85 ; v1(134.75,114.6) v1(134.75,113.1) ; C424.1 132.48,119.38 ; v1(133.5,119.35) R421.2
  In2.PWR w0.3: v1(134.75,113.85) 134.75,118.1 v1(133.5,119.35)
  In2.PWR w2: v1(145.47,106.1) 145.47,111.63 143.25,113.85 v1(134,113.85)
  Bottom w0.3: v1(145.47,107.6) v1(145.47,106.1) 147,106.1 ; v1(145.47,92.6) v1(145.47,89.6) 145.97,89.1 147,89.1
  vias: v1(145.47,106.85) v1(145.47,91.85) v1(145.47,91.1) v1(145.47,90.35)
+3V3d: length 44.1
  Top w0.2: 145.45,65.6 145.95,66.1 148.47,66.1
  Top w0.3: v1(135.5,86.1) v1(135.5,86.85) v1(135.5,87.6) v1(134.75,87.6) ; v1(133.5,92.35) R441.2 ; v1(134.75,87.6) v1(134,87.6) v1(134,86.85) v1(134,86.1) ; v1(134.75,87.6) v1(134.75,86.1) ; v1(134.75,87.6) 134.75,88.85 ; C444.1 132.48,92.38
  In2.PWR w0.3: v1(133.5,92.35) 134.75,91.1 v1(134.75,86.85)
  In2.PWR w2: v1(145.47,79.1) 145.47,84.62 143.25,86.85 v1(134,86.85)
  Bottom w0.3: v1(145.47,80.6) v1(145.47,79.1) 147,79.1 ; v1(145.47,65.6) v1(145.47,62.6) 145.97,62.1 147,62.1
  vias: v1(145.47,79.85) v1(145.47,64.85) v1(145.47,64.1) v1(145.47,63.35)
+3V3e: length 44.1
  Top w0.2: 145.45,38.6 145.95,39.1 148.47,39.1
  Top w0.3: C454.1 132.48,65.38 ; v1(134.75,60.6) v1(134,60.6) v1(134,59.85) v1(134,59.1) ; v1(134.75,60.6) v1(134.75,59.1) ; v1(134.75,60.6) v1(135.5,60.6) v1(135.5,59.85) v1(135.5,59.1) ; v1(134.75,60.6) 134.75,61.85 ; v1(133.5,65.35) R451.2
  In2.PWR w0.3: v1(133.5,65.35) 134.75,64.1 v1(134.75,59.85)
  In2.PWR w2: v1(134,59.85) 143.25,59.85 145.47,57.62 v1(145.47,52.1)
  Bottom w0.3: 147,35.1 145.97,35.1 v1(145.47,35.6) v1(145.47,38.6) ; 147,52.1 v1(145.47,52.1) v1(145.47,53.6)
  vias: v1(145.47,52.85) v1(145.47,37.85) v1(145.47,37.1) v1(145.47,36.35)
+3V3f: length 44.2
  Top w0.2: 145.45,11.6 145.95,12.1 148.47,12.1
  Top w0.3: 134.75,34.85 v1(134.75,33.6) ; v1(134.75,33.6) v1(134.75,32.1) ; v1(134.75,33.6) v1(135.5,33.6) v1(135.5,32.85) v1(135.5,32.1) ; v1(134.75,33.6) v1(134,33.6) v1(134,32.85) v1(134,32.1) ; C464.1 132.48,38.38 R461.2 v1(133.5,38.35)
  In2.PWR w0.3: v1(133.5,38.35) 134.75,37.1 v1(134.75,32.85)
  In2.PWR w2: v1(145.47,25.1) 145.47,30.75 143.38,32.85 v1(134,32.85)
  Bottom w0.3: 147,8.1 145.97,8.1 v1(145.47,8.6) v1(145.47,11.6) ; 147,25.1 v1(145.47,25.1) v1(145.47,26.6)
  vias: v1(145.47,25.85) v1(145.47,10.85) v1(145.47,10.1) v1(145.47,9.35)
+3V3g: length 41.4
  Top w0.3: v1(23.5,20.35) R431.2 23.53,21.62 C434.1
  In2.PWR w3: v1(17.25,19.35) 52,19.35 53.5,17.85 v1(53.5,15.6)
  vias: v1(16.5,20.1) v1(16.5,19.35) v1(16.5,18.6) v1(17.25,20.1) v1(17.25,18.6) v1(18,20.1) v1(18,19.35) v1(18,18.6) v1(52.75,16.35) v1(52.75,15.6) v1(52.75,14.85) v1(52.75,13.35) v1(52.75,12.6) v1(53.5,16.35) v1(53.5,14.85) v1(53.5,13.35) v1(53.5,12.6) v1(54.25,16.35) v1(54.25,15.6) v1(54.25,14.85) v1(54.25,13.35) v1(54.25,12.6)
+5V: length 217
  Top w0.2: C72.1 114.98,144.13 R57.2 ; TP5.1 115.75,137.1 v1(116.5,137.85)
  Top w0.3: v1(116.38,143.73) 116,144.1 R57.2 ; C72.1 114.98,144.13
  Top w0.4: D4.2 17.5,96.1 v1(18.5,97.1)
  Top w0.5: R72.1 C84.1 ; F78.1 C88.2 113,124.1 v1(114,125.1) v1(114,125.85) ; M1.2 D26.1 v1(95.25,159.85) v1(96,159.85)
  Top w0.6: v1(22,138.35) F5.1
  In2.PWR w0.3: v1(116.38,143.73) 117.25,142.85 117.25,138.58
  In2.PWR w0.4: v1(18.5,97.1) 21.75,100.35 v1(21.75,113.1)
  In2.PWR w0.5: 100,147.6 97.75,149.85 97.75,159.1 97,159.85 v1(95.25,159.85)
  In2.PWR w0.8: v1(117.25,138.6) 117.25,134.35 114,131.1 v1(114,125.1)
  In2.PWR w1: v1(22,138.35) v1(21.25,138.35) v1(20.5,138.35)
  In2.PWR w1.5: v1(21.75,112.35) 21.75,122.85 23.5,124.6 23.5,136.1 v1(21.25,138.35)
  In2.PWR w2: v1(21.25,138.35) 21.25,141.1 27.75,147.6 114,147.6 117.25,144.35 v1(117.25,138.6)
  vias: v1(21,113.1) v1(21,112.35) v1(116.5,139.35) v1(116.5,138.6) v1(117.25,139.35) v1(117.25,137.85) v1(118,139.35) v1(118,138.6) v1(118,137.85)
+5Va: length 38.6
  Top w0.3: v1(68.25,57.85) C487.1 ; C484.1 70.52,53.07 R481.2 69.75,53.1 v1(69.5,53.35)
  Top w1: J82.4 63.47,58.91 C489.2 C485.2
  In2.PWR w0.3: v1(69.5,53.35) 68.25,54.6 v1(68.25,57.85)
+12V: length 168.1
  Top w0.2: R53.1 v1(34.75,100.1)
  Top w0.4: R54.1 13.5,67.1 J5.1 ; TP4.1 16,69.6 16.7,68.9 D81.1
  Top w0.5: v1(112.5,159.85) v1(111.75,159.85) D27.1 109,159.95 M2.2 ; C85.1 R74.1
  Top w0.6: U78.3 21.1,67.8 D81.1
  Top w2: 26.38,54.41 32.43,48.35 v1(35.25,48.35) ; 34,65.1 40.75,65.1 45,69.35 v1(45,77.1) ; 34,65.1 22.75,65.1 ; 34,65.1 36.75,67.85 v1(36.75,77.1)
  Top w4: 30.25,37.35 33.75,33.85 v1(39.75,33.85) ; J5.1 22.75,65.1 26.38,61.47 26.38,44.22 30.25,40.35 30.25,16.85 33.75,13.35 v1(39.75,13.35)
  vias: v1(18.25,29.6) v1(18.25,28.85) v1(18.25,28.1) v1(19,29.6) v1(19,28.85) v1(19,28.1) v1(19.75,29.6) v1(19.75,28.85) v1(19.75,28.1) v1(34.5,49.1) v1(34.5,48.35) v1(34.5,47.6) v1(35.25,49.1) v1(35.25,47.6) v1(36,77.85) v1(36,77.1) v1(36,76.35) v1(36,49.1) v1(36,48.35) v1(36,47.6) v1(36.75,77.85) v1(36.75,76.35) v1(37.5,77.85) v1(37.5,77.1) v1(37.5,76.35) v1(39,34.6) v1(39,33.85) v1(39,33.1) v1(39,14.1) v1(39,13.35) v1(39,12.6) v1(39.75,34.6) v1(39.75,33.1) v1(39.75,14.1) v1(39.75,12.6) v1(40.5,34.6) v1(40.5,33.85) v1(40.5,33.1) v1(40.5,14.1) v1(40.5,13.35) v1(40.5,12.6) v1(44.25,77.85) v1(44.25,77.1) v1(44.25,76.35) v1(45,77.85) v1(45,76.35) v1(45.75,77.85) v1(45.75,77.1) v1(45.75,76.35) v1(77,58.35) v1(77,57.6) v1(77,56.85) v1(77.75,58.35) v1(77.75,57.6) v1(77.75,56.85) v1(78.5,58.35) v1(78.5,57.6) v1(78.5,56.85) v1(107,140.35) v1(107,139.6) v1(107,138.85) v1(107.75,140.35) v1(107.75,139.6) v1(107.75,138.85) v1(108.5,140.35) v1(108.5,139.6) v1(108.5,138.85) v1(124.5,162.6) v1(124.5,161.85) v1(124.5,161.1) v1(124.5,140.35) v1(124.5,139.6) v1(124.5,138.85) v1(124.5,115.6) v1(124.5,114.85) v1(124.5,114.1) v1(124.5,88.6) v1(124.5,87.85) v1(124.5,87.1) v1(124.5,61.6) v1(124.5,60.85) v1(124.5,60.1) v1(124.5,34.6) v1(124.5,33.85) v1(124.5,33.1) v1(125.25,162.6) v1(125.25,161.85) v1(125.25,161.1) v1(125.25,140.35) v1(125.25,139.6) v1(125.25,138.85) v1(125.25,115.6) v1(125.25,114.85) v1(125.25,114.1) v1(125.25,88.6) v1(125.25,87.85) v1(125.25,87.1) v1(125.25,61.6) v1(125.25,60.85) v1(125.25,60.1) v1(125.25,34.6) v1(125.25,33.85) v1(125.25,33.1) v1(126,162.6) v1(126,161.85) v1(126,161.1) v1(126,140.35) v1(126,139.6) v1(126,138.85) v1(126,115.6) v1(126,114.85) v1(126,114.1) v1(126,88.6) v1(126,87.85) v1(126,87.1) v1(126,61.6) v1(126,60.85) v1(126,60.1) v1(126,34.6) v1(126,33.85) v1(126,33.1)